# KiCad board protoboard-6x4-breakout.kicad_pcb
title: protoboard 6x4 and breakout adapters; note: CC-BY 4.0; note: See http://git.io/vNUDX
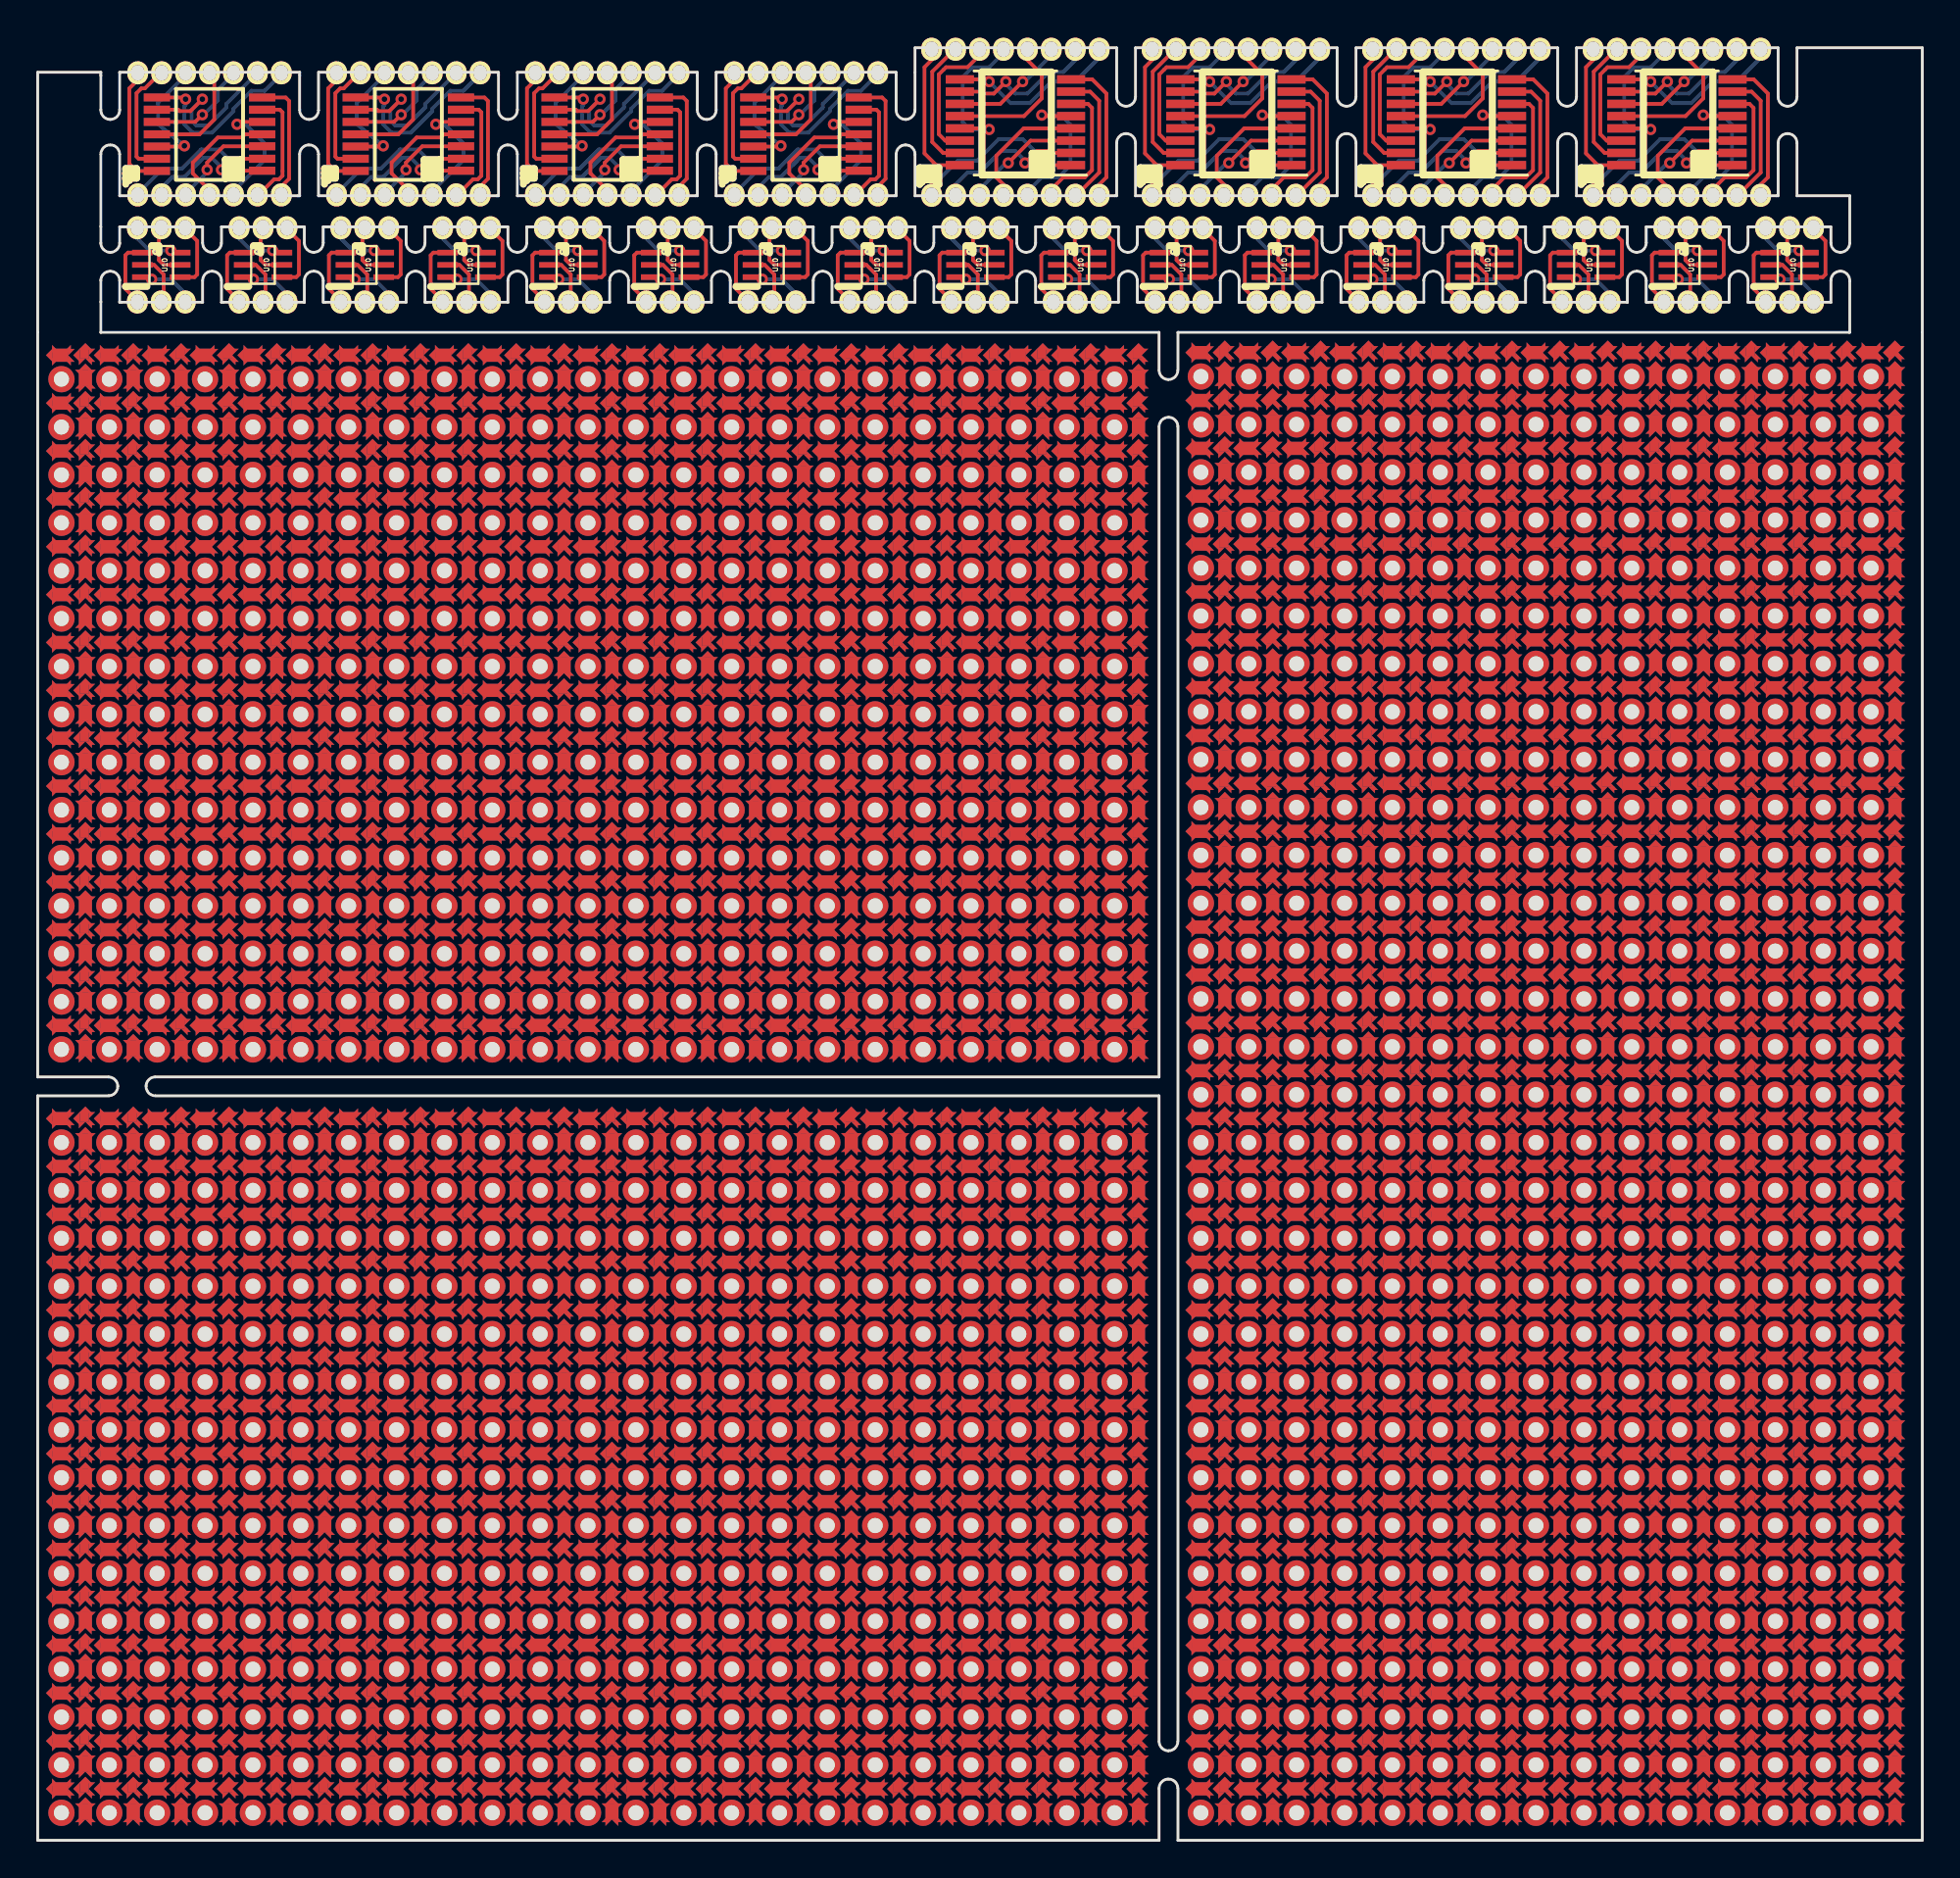
[diagram p0: board, top side]
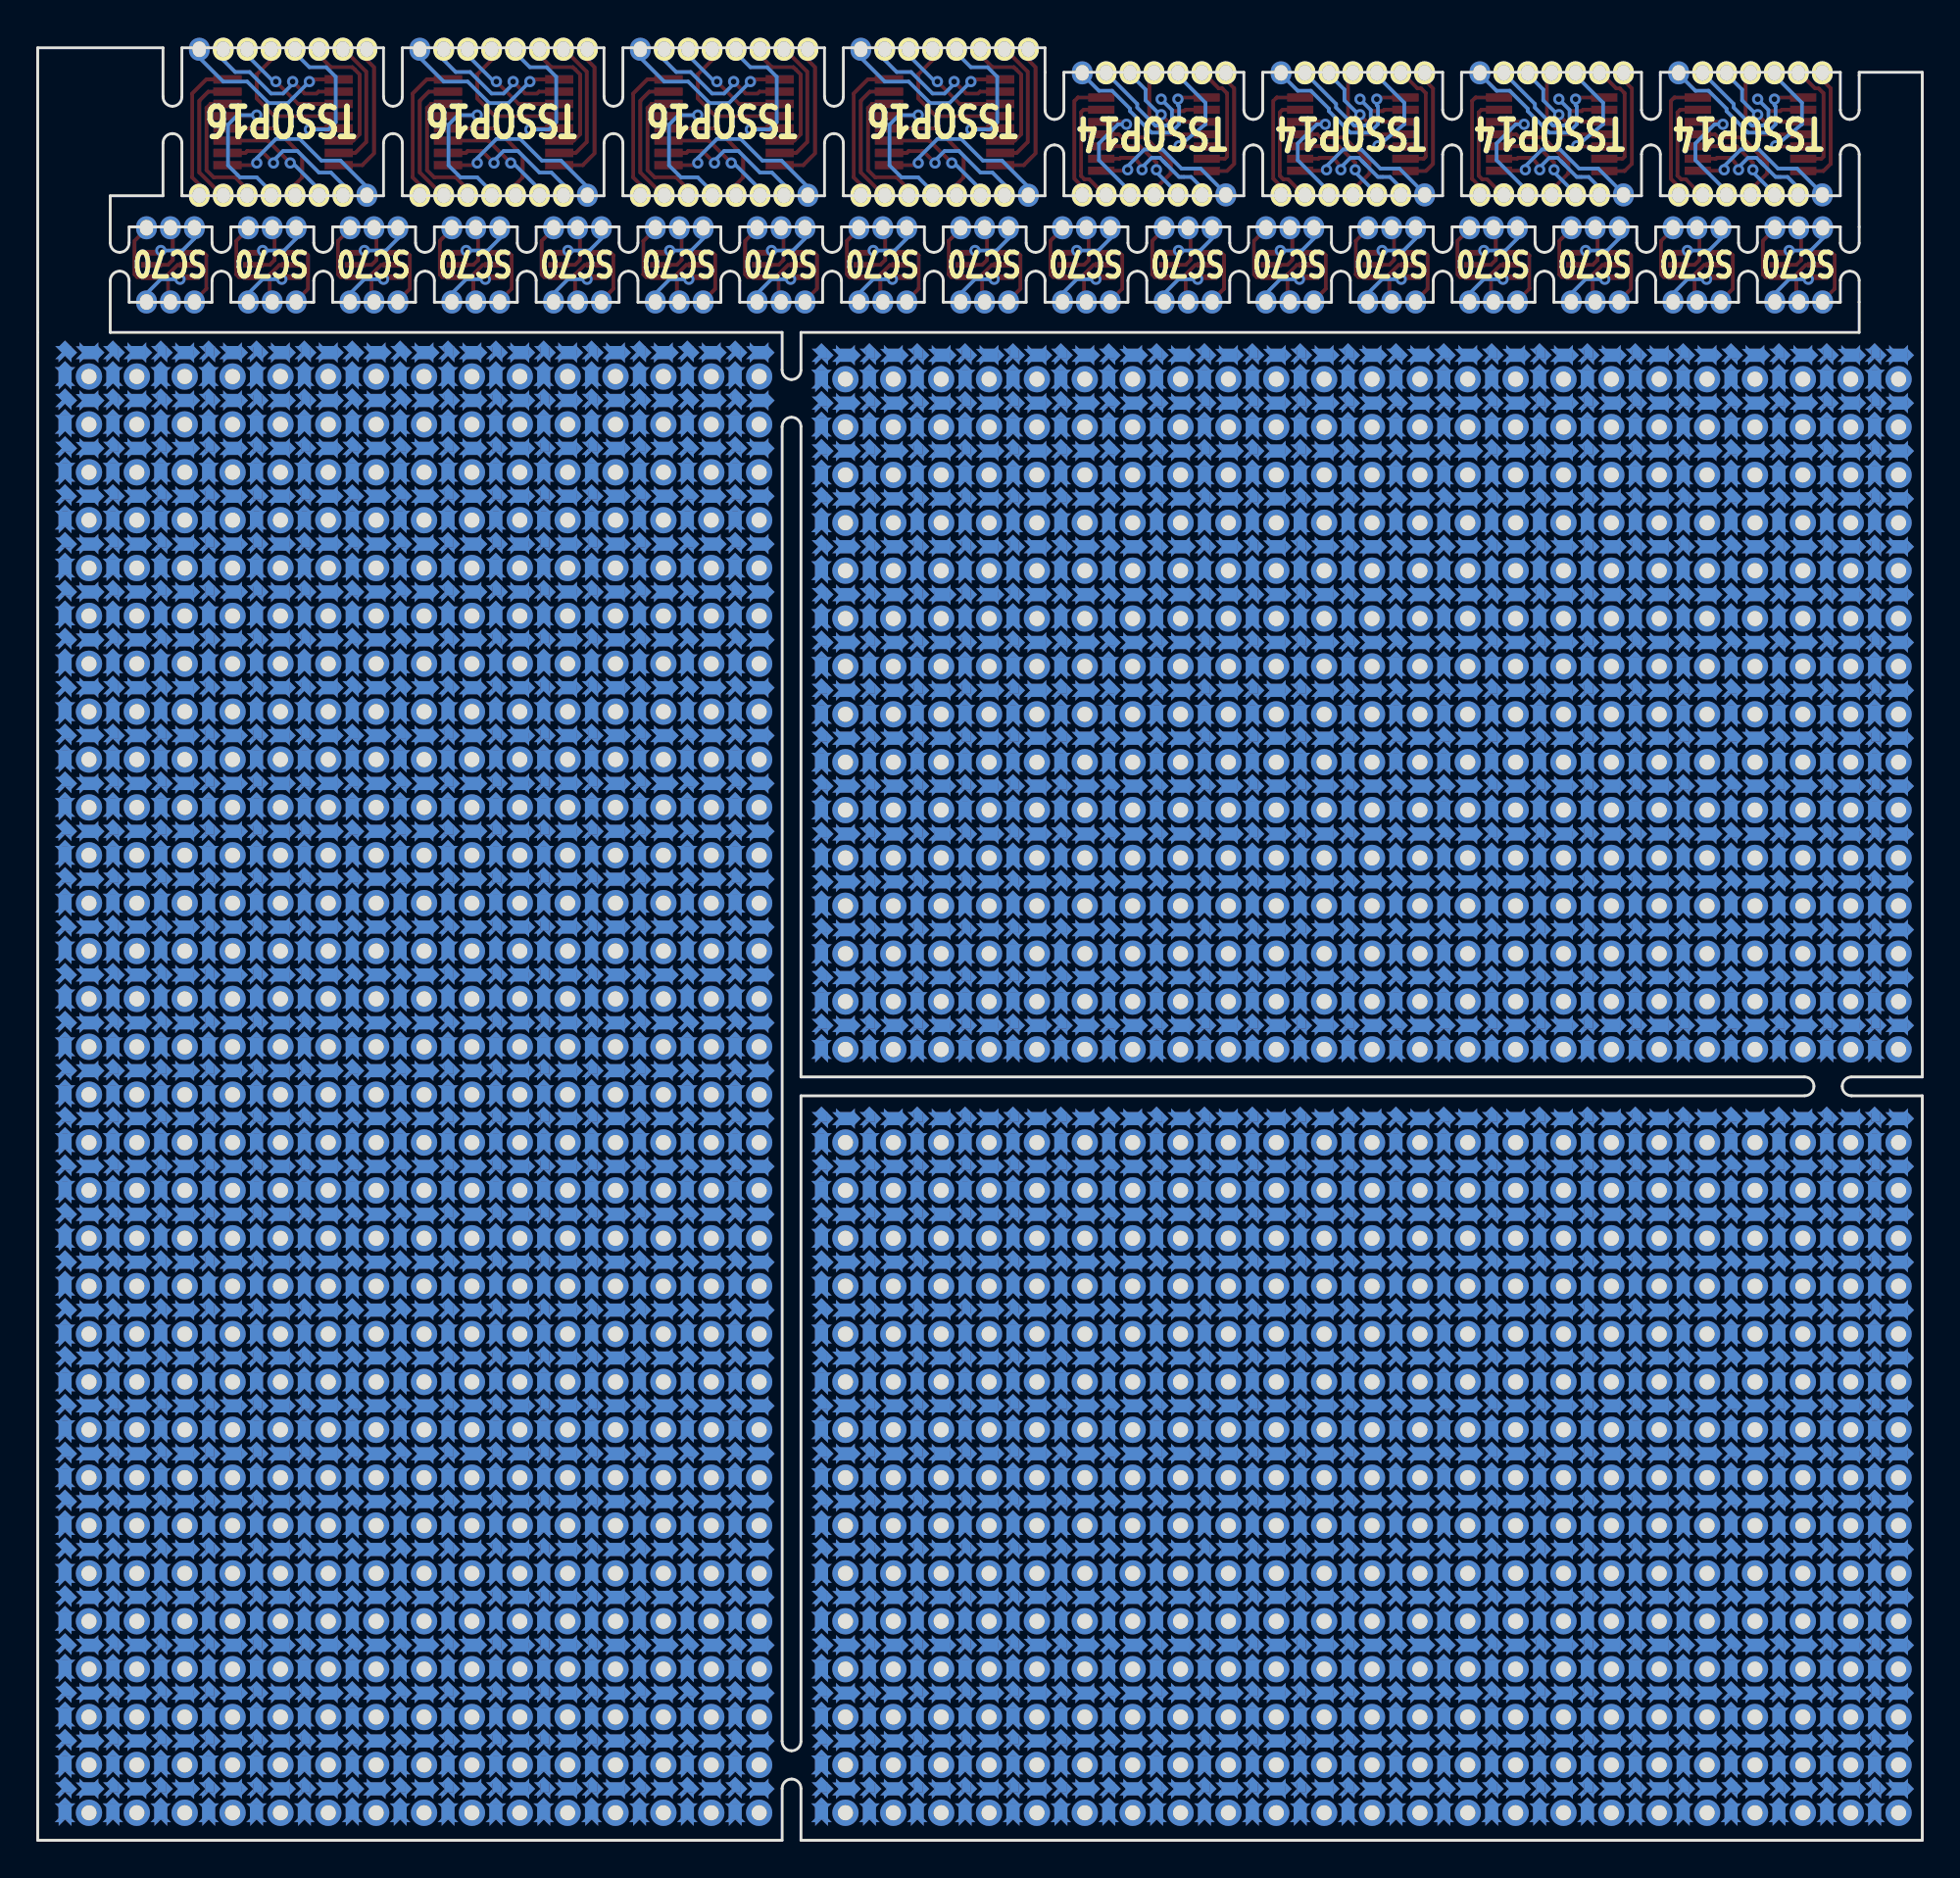
[diagram p1: board, bottom side, seen from below]

Outline 100 x 95.1 mm; copper layers: Front, Back. Coordinates in mm from the lower left corner of the outline.
Outline path: 0,93.8 0,40.5 3.75,40.5 arc(4.1,40.35) 4.25,40 arc(4.1,39.65) 3.75,39.5 0,39.5 0,0 59.5,0 59.5,2.75 arc(59.65,3.1) 60,3.25 arc(60.35,3.1) 60.5,2.75 60.5,0 100,0 100,95.1 93.35,95.1 93.35,92.5 arc(93.2,92.15) 92.85,92 arc(92.5,92.15) 92.35,92.5 92.35,95.1 81.65,95.1 81.65,92.5 arc(81.5,92.15) 81.15,92 arc(80.8,92.15) 80.65,92.5 80.65,95.1 69.95,95.1 69.95,92.5 arc(69.8,92.15) 69.45,92 arc(69.1,92.15) 68.95,92.5 68.95,95.1 58.25,95.1 58.25,92.5 arc(58.1,92.15) 57.75,92 arc(57.4,92.15) 57.25,92.5 57.25,95.1 46.55,95.1 46.55,91.8 arc(46.4,91.45) 46.05,91.3 arc(45.7,91.45) 45.55,91.8 45.55,93.8 36,93.8 36,91.8 arc(35.85,91.45) 35.5,91.3 arc(35.15,91.45) 35,91.8 35,93.8 25.45,93.8 25.45,91.8 arc(25.3,91.45) 24.95,91.3 arc(24.6,91.45) 24.45,91.8 24.45,93.8 14.9,93.8 14.9,91.8 arc(14.75,91.45) 14.4,91.3 arc(14.05,91.45) 13.9,91.8 13.9,93.8 4.35,93.8 4.35,91.8 arc(4.2,91.45) 3.85,91.3 arc(3.5,91.45) 3.35,91.8 3.35,93.8 0,93.8 ; 3.35,89.45 3.35,84.75 arc(3.5,84.4) 3.85,84.25 arc(4.2,84.4) 4.35,84.75 4.35,85.6 8.75,85.6 8.75,84.75 arc(8.9,84.4) 9.25,84.25 arc(9.6,84.4) 9.75,84.75 9.75,85.6 14.15,85.6 14.15,84.75 arc(14.3,84.4) 14.65,84.25 arc(15,84.4) 15.15,84.75 15.15,85.6 19.55,85.6 19.55,84.75 arc(19.7,84.4) 20.05,84.25 arc(20.4,84.4) 20.55,84.75 20.55,85.6 24.95,85.6 24.95,84.75 arc(25.1,84.4) 25.45,84.25 arc(25.8,84.4) 25.95,84.75 25.95,85.6 30.35,85.6 30.35,84.75 arc(30.5,84.4) 30.85,84.25 arc(31.2,84.4) 31.35,84.75 31.35,85.6 35.75,85.6 35.75,84.75 arc(35.9,84.4) 36.25,84.25 arc(36.6,84.4) 36.75,84.75 36.75,85.6 41.15,85.6 41.15,84.75 arc(41.3,84.4) 41.65,84.25 arc(42,84.4) 42.15,84.75 42.15,85.6 46.55,85.6 46.55,84.75 arc(46.7,84.4) 47.05,84.25 arc(47.4,84.4) 47.55,84.75 47.55,85.6 51.95,85.6 51.95,84.75 arc(52.1,84.4) 52.45,84.25 arc(52.8,84.4) 52.95,84.75 52.95,85.6 57.35,85.6 57.35,84.75 arc(57.5,84.4) 57.85,84.25 arc(58.2,84.4) 58.35,84.75 58.35,85.6 62.75,85.6 62.75,84.75 arc(62.9,84.4) 63.25,84.25 arc(63.6,84.4) 63.75,84.75 63.75,85.6 68.15,85.6 68.15,84.75 arc(68.3,84.4) 68.65,84.25 arc(69,84.4) 69.15,84.75 69.15,85.6 73.55,85.6 73.55,84.75 arc(73.7,84.4) 74.05,84.25 arc(74.4,84.4) 74.55,84.75 74.55,85.6 78.95,85.6 78.95,84.75 arc(79.1,84.4) 79.45,84.25 arc(79.8,84.4) 79.95,84.75 79.95,85.6 84.35,85.6 84.35,84.75 arc(84.5,84.4) 84.85,84.25 arc(85.2,84.4) 85.35,84.75 85.35,85.6 89.75,85.6 89.75,84.75 arc(89.9,84.4) 90.25,84.25 arc(90.6,84.4) 90.75,84.75 90.75,85.6 95.15,85.6 95.15,84.75 arc(95.3,84.4) 95.65,84.25 arc(96,84.4) 96.15,84.75 96.15,87.25 93.35,87.25 93.35,90.05 arc(93.2,90.4) 92.85,90.55 arc(92.5,90.4) 92.35,90.05 92.35,87.25 81.65,87.25 81.65,90.05 arc(81.5,90.4) 81.15,90.55 arc(80.8,90.4) 80.65,90.05 80.65,87.25 69.95,87.25 69.95,90.05 arc(69.8,90.4) 69.45,90.55 arc(69.1,90.4) 68.95,90.05 68.95,87.25 58.25,87.25 58.25,90.05 arc(58.1,90.4) 57.75,90.55 arc(57.4,90.4) 57.25,90.05 57.25,87.25 46.55,87.25 46.55,89.45 arc(46.4,89.8) 46.05,89.95 arc(45.7,89.8) 45.55,89.45 45.55,87.25 36,87.25 36,89.45 arc(35.85,89.8) 35.5,89.95 arc(35.15,89.8) 35,89.45 35,87.25 25.45,87.25 25.45,89.45 arc(25.3,89.8) 24.95,89.95 arc(24.6,89.8) 24.45,89.45 24.45,87.25 14.9,87.25 14.9,89.45 arc(14.75,89.8) 14.4,89.95 arc(14.05,89.8) 13.9,89.45 13.9,87.25 4.35,87.25 4.35,89.45 arc(4.2,89.8) 3.85,89.95 arc(3.5,89.8) 3.35,89.45 ; 3.35,82.75 arc(3.5,83.1) 3.85,83.25 arc(4.2,83.1) 4.35,82.75 4.35,81.6 8.75,81.6 8.75,82.75 arc(8.9,83.1) 9.25,83.25 arc(9.6,83.1) 9.75,82.75 9.75,81.6 14.15,81.6 14.15,82.75 arc(14.3,83.1) 14.65,83.25 arc(15,83.1) 15.15,82.75 15.15,81.6 19.55,81.6 19.55,82.75 arc(19.7,83.1) 20.05,83.25 arc(20.4,83.1) 20.55,82.75 20.55,81.6 24.95,81.6 24.95,82.75 arc(25.1,83.1) 25.45,83.25 arc(25.8,83.1) 25.95,82.75 25.95,81.6 30.35,81.6 30.35,82.75 arc(30.5,83.1) 30.85,83.25 arc(31.2,83.1) 31.35,82.75 31.35,81.6 35.75,81.6 35.75,82.75 arc(35.9,83.1) 36.25,83.25 arc(36.6,83.1) 36.75,82.75 36.75,81.6 41.15,81.6 41.15,82.75 arc(41.3,83.1) 41.65,83.25 arc(42,83.1) 42.15,82.75 42.15,81.6 46.55,81.6 46.55,82.75 arc(46.7,83.1) 47.05,83.25 arc(47.4,83.1) 47.55,82.75 47.55,81.6 51.95,81.6 51.95,82.75 arc(52.1,83.1) 52.45,83.25 arc(52.8,83.1) 52.95,82.75 52.95,81.6 57.35,81.6 57.35,82.75 arc(57.5,83.1) 57.85,83.25 arc(58.2,83.1) 58.35,82.75 58.35,81.6 62.75,81.6 62.75,82.75 arc(62.9,83.1) 63.25,83.25 arc(63.6,83.1) 63.75,82.75 63.75,81.6 68.15,81.6 68.15,82.75 arc(68.3,83.1) 68.65,83.25 arc(69,83.1) 69.15,82.75 69.15,81.6 73.55,81.6 73.55,82.75 arc(73.7,83.1) 74.05,83.25 arc(74.4,83.1) 74.55,82.75 74.55,81.6 78.95,81.6 78.95,82.75 arc(79.1,83.1) 79.45,83.25 arc(79.8,83.1) 79.95,82.75 79.95,81.6 84.35,81.6 84.35,82.75 arc(84.5,83.1) 84.85,83.25 arc(85.2,83.1) 85.35,82.75 85.35,81.6 89.75,81.6 89.75,82.75 arc(89.9,83.1) 90.25,83.25 arc(90.6,83.1) 90.75,82.75 90.75,81.6 95.15,81.6 95.15,82.75 arc(95.3,83.1) 95.65,83.25 arc(96,83.1) 96.15,82.75 96.15,80 60.5,80 60.5,78 arc(60.35,77.65) 60,77.5 arc(59.65,77.65) 59.5,78 59.5,80 3.35,80 3.35,82.75 ; 5.75,40 arc(5.9,40.35) 6.25,40.5 59.5,40.5 59.5,75 arc(59.65,75.35) 60,75.5 arc(60.35,75.35) 60.5,75 60.5,5.25 arc(60.35,4.9) 60,4.75 arc(59.65,4.9) 59.5,5.25 59.5,39.5 6.25,39.5 arc(5.9,39.65) 5.75,40

## Placement (name value [footprint] x y rotation side)
J1  CONN_01X08  [8pin-1.27-pitch]  51.88 95.09 180 top
J1#2  CONN_01X08  [8pin-1.27-pitch]  51.88 94.96 180 top
J1#3  CONN_01X08  [8pin-1.27-pitch]  63.58 94.96 180 top
J1#4  CONN_01X08  [8pin-1.27-pitch]  63.58 95.09 180 top
J1#5  CONN_01X08  [8pin-1.27-pitch]  75.28 95.09 180 top
J1#6  CONN_01X08  [8pin-1.27-pitch]  75.28 94.96 180 top
J1#7  CONN_01X08  [8pin-1.27-pitch]  86.98 94.96 180 top
J1#8  CONN_01X08  [8pin-1.27-pitch]  86.98 95.09 180 top
J2  CONN_01X08  [8pin-1.27-pitch]  51.88 87.21 0 top
J2#2  CONN_01X08  [8pin-1.27-pitch]  51.88 87.34 0 top
J2#3  CONN_01X08  [8pin-1.27-pitch]  63.58 87.34 0 top
J2#4  CONN_01X08  [8pin-1.27-pitch]  63.58 87.21 0 top
J2#5  CONN_01X08  [8pin-1.27-pitch]  75.28 87.21 0 top
J2#6  CONN_01X08  [8pin-1.27-pitch]  75.28 87.34 0 top
J2#7  CONN_01X08  [8pin-1.27-pitch]  86.98 87.34 0 top
J2#8  CONN_01X08  [8pin-1.27-pitch]  86.98 87.21 0 top
NOREF  -  [SIL-3-1mm]  6.56 81.55 0 top
NOREF#2  -  [SIL-3-1mm]  6.56 85.62 180 top
NOREF#3  -  [SIL-3-1mm]  6.56 85.49 180 top
NOREF#4  -  [SIL-3-1mm]  6.56 81.68 0 top
NOREF#5  -  [SSOP14]  9.12 90.51 90 top
NOREF#6  -  [7pin-1.27-pitch]  9.12 93.84 180 top
NOREF#7  -  [SIL-7-1mm]  9.12 87.23 0 top
NOREF#8  -  [7pin-1.27-pitch]  9.12 93.71 180 top
NOREF#9  -  [SIL-7-1mm]  9.12 87.36 0 top
NOREF#10  -  [SIL-3-1mm]  11.96 81.68 0 top
NOREF#11  -  [SIL-3-1mm]  11.96 85.49 180 top
NOREF#12  -  [SIL-3-1mm]  11.96 85.62 180 top
NOREF#13  -  [SIL-3-1mm]  11.96 81.55 0 top
NOREF#14  -  [SIL-3-1mm]  22.76 81.55 0 top
NOREF#15  -  [SIL-3-1mm]  22.76 85.62 180 top
NOREF#16  -  [SIL-3-1mm]  22.76 85.49 180 top
NOREF#17  -  [SIL-3-1mm]  22.76 81.68 0 top
NOREF#18  -  [SIL-3-1mm]  17.36 81.68 0 top
NOREF#19  -  [SIL-3-1mm]  17.36 85.49 180 top
NOREF#20  -  [SIL-3-1mm]  17.36 85.62 180 top
NOREF#21  -  [SIL-3-1mm]  17.36 81.55 0 top
NOREF#22  -  [SIL-3-1mm]  38.96 81.55 0 top
NOREF#23  -  [SIL-3-1mm]  38.96 85.62 180 top
NOREF#24  -  [SIL-3-1mm]  38.96 85.49 180 top
NOREF#25  -  [SIL-3-1mm]  38.96 81.68 0 top
NOREF#26  -  [SIL-3-1mm]  44.36 81.68 0 top
NOREF#27  -  [SIL-3-1mm]  44.36 85.49 180 top
NOREF#28  -  [SIL-3-1mm]  44.36 85.62 180 top
NOREF#29  -  [SIL-3-1mm]  44.36 81.55 0 top
NOREF#30  -  [SIL-3-1mm]  33.56 81.55 0 top
NOREF#31  -  [SIL-3-1mm]  33.56 85.62 180 top
NOREF#32  -  [SIL-3-1mm]  33.56 85.49 180 top
NOREF#33  -  [SIL-3-1mm]  33.56 81.68 0 top
NOREF#34  -  [SIL-3-1mm]  28.16 81.68 0 top
NOREF#35  -  [SIL-3-1mm]  28.16 85.49 180 top
NOREF#36  -  [SIL-3-1mm]  28.16 85.62 180 top
NOREF#37  -  [SIL-3-1mm]  28.16 81.55 0 top
NOREF#38  -  [SIL-3-1mm]  71.36 81.55 0 top
NOREF#39  -  [SIL-3-1mm]  71.36 85.62 180 top
NOREF#40  -  [SIL-3-1mm]  71.36 85.49 180 top
NOREF#41  -  [SIL-3-1mm]  71.36 81.68 0 top
NOREF#42  -  [SIL-3-1mm]  76.76 81.68 0 top
NOREF#43  -  [SIL-3-1mm]  76.76 85.49 180 top
NOREF#44  -  [SIL-3-1mm]  76.76 85.62 180 top
NOREF#45  -  [SIL-3-1mm]  76.76 81.55 0 top
NOREF#46  -  [SIL-3-1mm]  87.56 81.55 0 top
NOREF#47  -  [SIL-3-1mm]  87.56 85.62 180 top
NOREF#48  -  [SIL-3-1mm]  87.56 85.49 180 top
NOREF#49  -  [SIL-3-1mm]  87.56 81.68 0 top
NOREF#50  -  [SIL-3-1mm]  82.16 81.68 0 top
NOREF#51  -  [SIL-3-1mm]  82.16 85.49 180 top
NOREF#52  -  [SIL-3-1mm]  82.16 85.62 180 top
NOREF#53  -  [SIL-3-1mm]  82.16 81.55 0 top
NOREF#54  -  [SIL-3-1mm]  60.56 81.55 0 top
NOREF#55  -  [SIL-7-1mm]  19.67 87.36 0 top
NOREF#56  -  [7pin-1.27-pitch]  19.67 93.71 180 top
NOREF#57  -  [SIL-7-1mm]  19.67 87.23 0 top
NOREF#58  -  [SIL-3-1mm]  60.56 81.68 0 top
NOREF#59  -  [7pin-1.27-pitch]  19.67 93.84 180 top
NOREF#60  -  [SIL-3-1mm]  65.96 81.68 0 top
NOREF#61  -  [SIL-3-1mm]  65.96 85.49 180 top
NOREF#62  -  [SSOP14]  19.67 90.51 90 top
NOREF#63  -  [SIL-3-1mm]  65.96 85.62 180 top
NOREF#64  -  [SIL-3-1mm]  65.96 81.55 0 top
NOREF#65  -  [SIL-3-1mm]  55.16 81.55 0 top
NOREF#66  -  [SIL-3-1mm]  55.16 85.62 180 top
NOREF#67  -  [SIL-3-1mm]  55.16 85.49 180 top
NOREF#68  -  [SIL-3-1mm]  55.16 81.68 0 top
NOREF#69  -  [SIL-3-1mm]  49.76 81.68 0 top
NOREF#70  -  [SIL-3-1mm]  49.76 85.49 180 top
NOREF#71  -  [SIL-3-1mm]  49.76 85.62 180 top
NOREF#72  -  [SIL-3-1mm]  49.76 81.55 0 top
NOREF#73  -  [SSOP14]  40.77 90.51 90 top
NOREF#74  -  [7pin-1.27-pitch]  40.77 93.84 180 top
NOREF#75  -  [SIL-7-1mm]  40.77 87.23 0 top
NOREF#76  -  [7pin-1.27-pitch]  40.77 93.71 180 top
NOREF#77  -  [SIL-7-1mm]  40.77 87.36 0 top
NOREF#78  -  [SIL-7-1mm]  30.22 87.36 0 top
NOREF#79  -  [7pin-1.27-pitch]  30.22 93.71 180 top
NOREF#80  -  [SIL-7-1mm]  30.22 87.23 0 top
NOREF#81  -  [7pin-1.27-pitch]  30.22 93.84 180 top
NOREF#82  -  [SSOP14]  30.22 90.51 90 top
NOREF#83  -  [SIL-3-1mm]  92.96 81.55 0 top
NOREF#84  -  [SIL-3-1mm]  92.96 85.62 180 top
NOREF#85  -  [SIL-3-1mm]  92.96 85.49 180 top
NOREF#86  -  [SIL-3-1mm]  92.96 81.68 0 top
NOREF#87  -  [SIL-3-1mm]  60.56 85.62 180 top
NOREF#88  -  [SIL-3-1mm]  60.56 85.49 180 top
REF**  center-pad  [center-pad-spikes]  2.53 2.73 0 top
REF**#2  pad-between  [pad-between-spiked]  2.53 1.46 0 top
REF**#3  pad-between  [pad-between-spiked]  2.53 4 0 top
REF**#4  pad-between  [pad-between-spiked]  3.8 2.73 90 top
REF**#5  pad-between  [pad-between-spiked]  1.26 2.73 90 top
REF**#6  center-pad  [center-pad-spikes]  5.07 2.73 0 top
REF**#7  pad-between  [pad-between-spiked]  5.07 1.46 0 top
REF**#8  pad-between  [pad-between-spiked]  5.07 4 0 top
REF**#9  pad-between  [pad-between-spiked]  6.34 2.73 90 top
REF**#10  pad-between  [pad-between-spiked]  7.61 4 0 top
REF**#11  pad-between  [pad-between-spiked]  7.61 1.46 0 top
REF**#12  center-pad  [center-pad-spikes]  7.61 2.73 0 top
REF**#13  center-pad  [center-pad-spikes]  7.61 5.27 0 top
REF**#14  pad-between  [pad-between-spiked]  6.34 5.27 90 top
REF**#15  center-pad  [center-pad-spikes]  5.07 5.27 0 top
REF**#16  center-pad  [center-pad-spikes]  2.53 5.27 0 top
REF**#17  pad-between  [pad-between-spiked]  3.8 5.27 90 top
REF**#18  pad-between  [pad-between-spiked]  1.26 5.27 90 top
REF**#19  -  [tht-0.8]  6.34 4 0 top
REF**#20  -  [tht-0.8]  3.8 4 0 top
REF**#21  -  [tht-0.8]  1.26 4 0 top
REF**#22  -  [tht-0.8]  1.26 1.46 0 top
REF**#23  -  [tht-0.8]  3.8 1.46 0 top
REF**#24  -  [tht-0.8]  6.34 1.46 0 top
REF**#25  pad-between  [pad-between-spiked]  8.88 5.27 90 top
REF**#26  pad-between  [pad-between-spiked]  11.42 5.27 90 top
REF**#27  center-pad  [center-pad-spikes]  10.15 5.27 0 top
REF**#28  center-pad  [center-pad-spikes]  12.69 5.27 0 top
REF**#29  pad-between  [pad-between-spiked]  13.96 5.27 90 top
REF**#30  center-pad  [center-pad-spikes]  15.23 5.27 0 top
REF**#31  center-pad  [center-pad-spikes]  15.23 2.73 0 top
REF**#32  pad-between  [pad-between-spiked]  15.23 1.46 0 top
REF**#33  pad-between  [pad-between-spiked]  15.23 4 0 top
REF**#34  pad-between  [pad-between-spiked]  13.96 2.73 90 top
REF**#35  pad-between  [pad-between-spiked]  12.69 4 0 top
REF**#36  pad-between  [pad-between-spiked]  12.69 1.46 0 top
REF**#37  center-pad  [center-pad-spikes]  12.69 2.73 0 top
REF**#38  center-pad  [center-pad-spikes]  10.15 2.73 0 top
REF**#39  pad-between  [pad-between-spiked]  10.15 1.46 0 top
REF**#40  pad-between  [pad-between-spiked]  10.15 4 0 top
REF**#41  pad-between  [pad-between-spiked]  11.42 2.73 90 top
REF**#42  pad-between  [pad-between-spiked]  8.88 2.73 90 top
REF**#43  -  [tht-0.8]  13.96 4 0 top
REF**#44  -  [tht-0.8]  11.42 4 0 top
REF**#45  -  [tht-0.8]  8.88 4 0 top
REF**#46  -  [tht-0.8]  8.88 1.46 0 top
REF**#47  -  [tht-0.8]  11.42 1.46 0 top
REF**#48  -  [tht-0.8]  13.96 1.46 0 top
REF**#49  -  [tht-0.8]  29.2 1.46 0 top
REF**#50  -  [tht-0.8]  26.66 1.46 0 top
REF**#51  -  [tht-0.8]  24.12 1.46 0 top
REF**#52  -  [tht-0.8]  24.12 4 0 top
REF**#53  -  [tht-0.8]  26.66 4 0 top
REF**#54  -  [tht-0.8]  29.2 4 0 top
REF**#55  pad-between  [pad-between-spiked]  24.12 2.73 90 top
REF**#56  pad-between  [pad-between-spiked]  26.66 2.73 90 top
REF**#57  pad-between  [pad-between-spiked]  25.39 4 0 top
REF**#58  pad-between  [pad-between-spiked]  25.39 1.46 0 top
REF**#59  center-pad  [center-pad-spikes]  25.39 2.73 0 top
REF**#60  center-pad  [center-pad-spikes]  27.93 2.73 0 top
REF**#61  pad-between  [pad-between-spiked]  27.93 1.46 0 top
REF**#62  pad-between  [pad-between-spiked]  27.93 4 0 top
REF**#63  pad-between  [pad-between-spiked]  29.2 2.73 90 top
REF**#64  pad-between  [pad-between-spiked]  30.47 4 0 top
REF**#65  pad-between  [pad-between-spiked]  30.47 1.46 0 top
REF**#66  center-pad  [center-pad-spikes]  30.47 2.73 0 top
REF**#67  center-pad  [center-pad-spikes]  30.47 5.27 0 top
REF**#68  pad-between  [pad-between-spiked]  29.2 5.27 90 top
REF**#69  center-pad  [center-pad-spikes]  27.93 5.27 0 top
REF**#70  center-pad  [center-pad-spikes]  25.39 5.27 0 top
REF**#71  pad-between  [pad-between-spiked]  26.66 5.27 90 top
REF**#72  pad-between  [pad-between-spiked]  24.12 5.27 90 top
REF**#73  pad-between  [pad-between-spiked]  16.5 5.27 90 top
REF**#74  pad-between  [pad-between-spiked]  19.04 5.27 90 top
REF**#75  center-pad  [center-pad-spikes]  17.77 5.27 0 top
REF**#76  center-pad  [center-pad-spikes]  20.31 5.27 0 top
REF**#77  pad-between  [pad-between-spiked]  21.58 5.27 90 top
REF**#78  center-pad  [center-pad-spikes]  22.85 5.27 0 top
REF**#79  center-pad  [center-pad-spikes]  22.85 2.73 0 top
REF**#80  pad-between  [pad-between-spiked]  22.85 1.46 0 top
REF**#81  pad-between  [pad-between-spiked]  22.85 4 0 top
REF**#82  pad-between  [pad-between-spiked]  21.58 2.73 90 top
REF**#83  pad-between  [pad-between-spiked]  20.31 4 0 top
REF**#84  pad-between  [pad-between-spiked]  20.31 1.46 0 top
REF**#85  center-pad  [center-pad-spikes]  20.31 2.73 0 top
REF**#86  center-pad  [center-pad-spikes]  17.77 2.73 0 top
REF**#87  pad-between  [pad-between-spiked]  17.77 1.46 0 top
REF**#88  pad-between  [pad-between-spiked]  17.77 4 0 top
REF**#89  pad-between  [pad-between-spiked]  19.04 2.73 90 top
REF**#90  pad-between  [pad-between-spiked]  16.5 2.73 90 top
REF**#91  -  [tht-0.8]  21.58 4 0 top
REF**#92  -  [tht-0.8]  19.04 4 0 top
REF**#93  -  [tht-0.8]  16.5 4 0 top
REF**#94  -  [tht-0.8]  16.5 1.46 0 top
REF**#95  -  [tht-0.8]  19.04 1.46 0 top
REF**#96  -  [tht-0.8]  21.58 1.46 0 top
REF**#97  -  [tht-0.8]  52.06 1.46 0 top
REF**#98  -  [tht-0.8]  49.52 1.46 0 top
REF**#99  -  [tht-0.8]  46.98 1.46 0 top
REF**#100  -  [tht-0.8]  46.98 4 0 top
REF**#101  -  [tht-0.8]  49.52 4 0 top
REF**#102  -  [tht-0.8]  52.06 4 0 top
REF**#103  pad-between  [pad-between-spiked]  46.98 2.73 90 top
REF**#104  pad-between  [pad-between-spiked]  49.52 2.73 90 top
REF**#105  pad-between  [pad-between-spiked]  48.25 4 0 top
REF**#106  pad-between  [pad-between-spiked]  48.25 1.46 0 top
REF**#107  center-pad  [center-pad-spikes]  48.25 2.73 0 top
REF**#108  center-pad  [center-pad-spikes]  50.79 2.73 0 top
REF**#109  pad-between  [pad-between-spiked]  50.79 1.46 0 top
REF**#110  pad-between  [pad-between-spiked]  50.79 4 0 top
REF**#111  pad-between  [pad-between-spiked]  52.06 2.73 90 top
REF**#112  pad-between  [pad-between-spiked]  53.33 4 0 top
REF**#113  pad-between  [pad-between-spiked]  53.33 1.46 0 top
REF**#114  center-pad  [center-pad-spikes]  53.33 2.73 0 top
REF**#115  center-pad  [center-pad-spikes]  53.33 5.27 0 top
REF**#116  pad-between  [pad-between-spiked]  52.06 5.27 90 top
REF**#117  center-pad  [center-pad-spikes]  50.79 5.27 0 top
REF**#118  center-pad  [center-pad-spikes]  48.25 5.27 0 top
REF**#119  pad-between  [pad-between-spiked]  49.52 5.27 90 top
REF**#120  pad-between  [pad-between-spiked]  46.98 5.27 90 top
REF**#121  pad-between  [pad-between-spiked]  54.6 5.27 90 top
REF**#122  pad-between  [pad-between-spiked]  57.14 5.27 90 top
REF**#123  center-pad  [center-pad-spikes]  55.87 5.27 0 top
REF**#124  center-pad  [center-pad-spikes]  58.41 5.27 0 top
REF**#125  pad-between  [pad-between-spiked]  58.41 4 0 top
REF**#126  pad-between  [pad-between-spiked]  58.41 1.46 0 top
REF**#127  center-pad  [center-pad-spikes]  58.41 2.73 0 top
REF**#128  center-pad  [center-pad-spikes]  55.87 2.73 0 top
REF**#129  pad-between  [pad-between-spiked]  55.87 1.46 0 top
REF**#130  pad-between  [pad-between-spiked]  55.87 4 0 top
REF**#131  pad-between  [pad-between-spiked]  57.14 2.73 90 top
REF**#132  pad-between  [pad-between-spiked]  54.6 2.73 90 top
REF**#133  -  [tht-0.8]  57.14 4 0 top
REF**#134  -  [tht-0.8]  54.6 4 0 top
REF**#135  -  [tht-0.8]  54.6 1.46 0 top
REF**#136  -  [tht-0.8]  57.14 1.46 0 top
REF**#137  -  [tht-0.8]  44.44 1.46 0 top
REF**#138  -  [tht-0.8]  41.9 1.46 0 top
REF**#139  -  [tht-0.8]  39.36 1.46 0 top
REF**#140  -  [tht-0.8]  39.36 4 0 top
REF**#141  -  [tht-0.8]  41.9 4 0 top
REF**#142  -  [tht-0.8]  44.44 4 0 top
REF**#143  pad-between  [pad-between-spiked]  39.36 2.73 90 top
REF**#144  pad-between  [pad-between-spiked]  41.9 2.73 90 top
REF**#145  pad-between  [pad-between-spiked]  40.63 4 0 top
REF**#146  pad-between  [pad-between-spiked]  40.63 1.46 0 top
REF**#147  center-pad  [center-pad-spikes]  40.63 2.73 0 top
REF**#148  center-pad  [center-pad-spikes]  43.17 2.73 0 top
REF**#149  pad-between  [pad-between-spiked]  43.17 1.46 0 top
REF**#150  pad-between  [pad-between-spiked]  43.17 4 0 top
REF**#151  pad-between  [pad-between-spiked]  44.44 2.73 90 top
REF**#152  pad-between  [pad-between-spiked]  45.71 4 0 top
REF**#153  pad-between  [pad-between-spiked]  45.71 1.46 0 top
REF**#154  center-pad  [center-pad-spikes]  45.71 2.73 0 top
REF**#155  center-pad  [center-pad-spikes]  45.71 5.27 0 top
REF**#156  pad-between  [pad-between-spiked]  44.44 5.27 90 top
REF**#157  center-pad  [center-pad-spikes]  43.17 5.27 0 top
REF**#158  center-pad  [center-pad-spikes]  40.63 5.27 0 top
REF**#159  pad-between  [pad-between-spiked]  41.9 5.27 90 top
REF**#160  pad-between  [pad-between-spiked]  39.36 5.27 90 top
REF**#161  pad-between  [pad-between-spiked]  31.74 5.27 90 top
REF**#162  pad-between  [pad-between-spiked]  34.28 5.27 90 top
REF**#163  center-pad  [center-pad-spikes]  33.01 5.27 0 top
REF**#164  center-pad  [center-pad-spikes]  35.55 5.27 0 top
REF**#165  pad-between  [pad-between-spiked]  36.82 5.27 90 top
REF**#166  center-pad  [center-pad-spikes]  38.09 5.27 0 top
REF**#167  center-pad  [center-pad-spikes]  38.09 2.73 0 top
REF**#168  pad-between  [pad-between-spiked]  38.09 1.46 0 top
REF**#169  pad-between  [pad-between-spiked]  38.09 4 0 top
REF**#170  pad-between  [pad-between-spiked]  36.82 2.73 90 top
REF**#171  pad-between  [pad-between-spiked]  35.55 4 0 top
REF**#172  pad-between  [pad-between-spiked]  35.55 1.46 0 top
REF**#173  center-pad  [center-pad-spikes]  35.55 2.73 0 top
REF**#174  center-pad  [center-pad-spikes]  33.01 2.73 0 top
REF**#175  pad-between  [pad-between-spiked]  33.01 1.46 0 top
REF**#176  pad-between  [pad-between-spiked]  33.01 4 0 top
REF**#177  pad-between  [pad-between-spiked]  34.28 2.73 90 top
REF**#178  pad-between  [pad-between-spiked]  31.74 2.73 90 top
REF**#179  -  [tht-0.8]  36.82 4 0 top
REF**#180  -  [tht-0.8]  34.28 4 0 top
REF**#181  -  [tht-0.8]  31.74 4 0 top
REF**#182  -  [tht-0.8]  31.74 1.46 0 top
REF**#183  -  [tht-0.8]  34.28 1.46 0 top
REF**#184  -  [tht-0.8]  36.82 1.46 0 top
REF**#185  -  [tht-0.8]  36.82 6.54 0 top
REF**#186  -  [tht-0.8]  34.28 6.54 0 top
REF**#187  -  [tht-0.8]  31.74 6.54 0 top
REF**#188  -  [tht-0.8]  31.74 9.08 0 top
REF**#189  -  [tht-0.8]  34.28 9.08 0 top
REF**#190  -  [tht-0.8]  36.82 9.08 0 top
REF**#191  pad-between  [pad-between-spiked]  31.74 7.81 90 top
REF**#192  pad-between  [pad-between-spiked]  34.28 7.81 90 top
REF**#193  pad-between  [pad-between-spiked]  33.01 9.08 0 top
REF**#194  pad-between  [pad-between-spiked]  33.01 6.54 0 top
REF**#195  center-pad  [center-pad-spikes]  33.01 7.81 0 top
REF**#196  center-pad  [center-pad-spikes]  35.55 7.81 0 top
REF**#197  pad-between  [pad-between-spiked]  35.55 6.54 0 top
REF**#198  pad-between  [pad-between-spiked]  35.55 9.08 0 top
REF**#199  pad-between  [pad-between-spiked]  36.82 7.81 90 top
REF**#200  pad-between  [pad-between-spiked]  38.09 9.08 0 top
REF**#201  pad-between  [pad-between-spiked]  38.09 6.54 0 top
REF**#202  center-pad  [center-pad-spikes]  38.09 7.81 0 top
REF**#203  center-pad  [center-pad-spikes]  38.09 10.35 0 top
REF**#204  pad-between  [pad-between-spiked]  36.82 10.35 90 top
REF**#205  center-pad  [center-pad-spikes]  35.55 10.35 0 top
REF**#206  center-pad  [center-pad-spikes]  33.01 10.35 0 top
REF**#207  pad-between  [pad-between-spiked]  34.28 10.35 90 top
REF**#208  pad-between  [pad-between-spiked]  31.74 10.35 90 top